# Altium PCB Fastino-DIOT.PCBDOC (part 12 of 22)
Units mm, origin at the board's own origin, x right, y up, seen from the top; angles counter-clockwise.
Board outline 222.63 x 100.1 mm, 8 copper layers (L1, L2, L3, P4, L5, L6, P7, L8), stack 1.563 mm thick; 1030 components, 787 nets, 3312 pads, 2498 vias.
Unrouted connection lines stored in the file: 424.
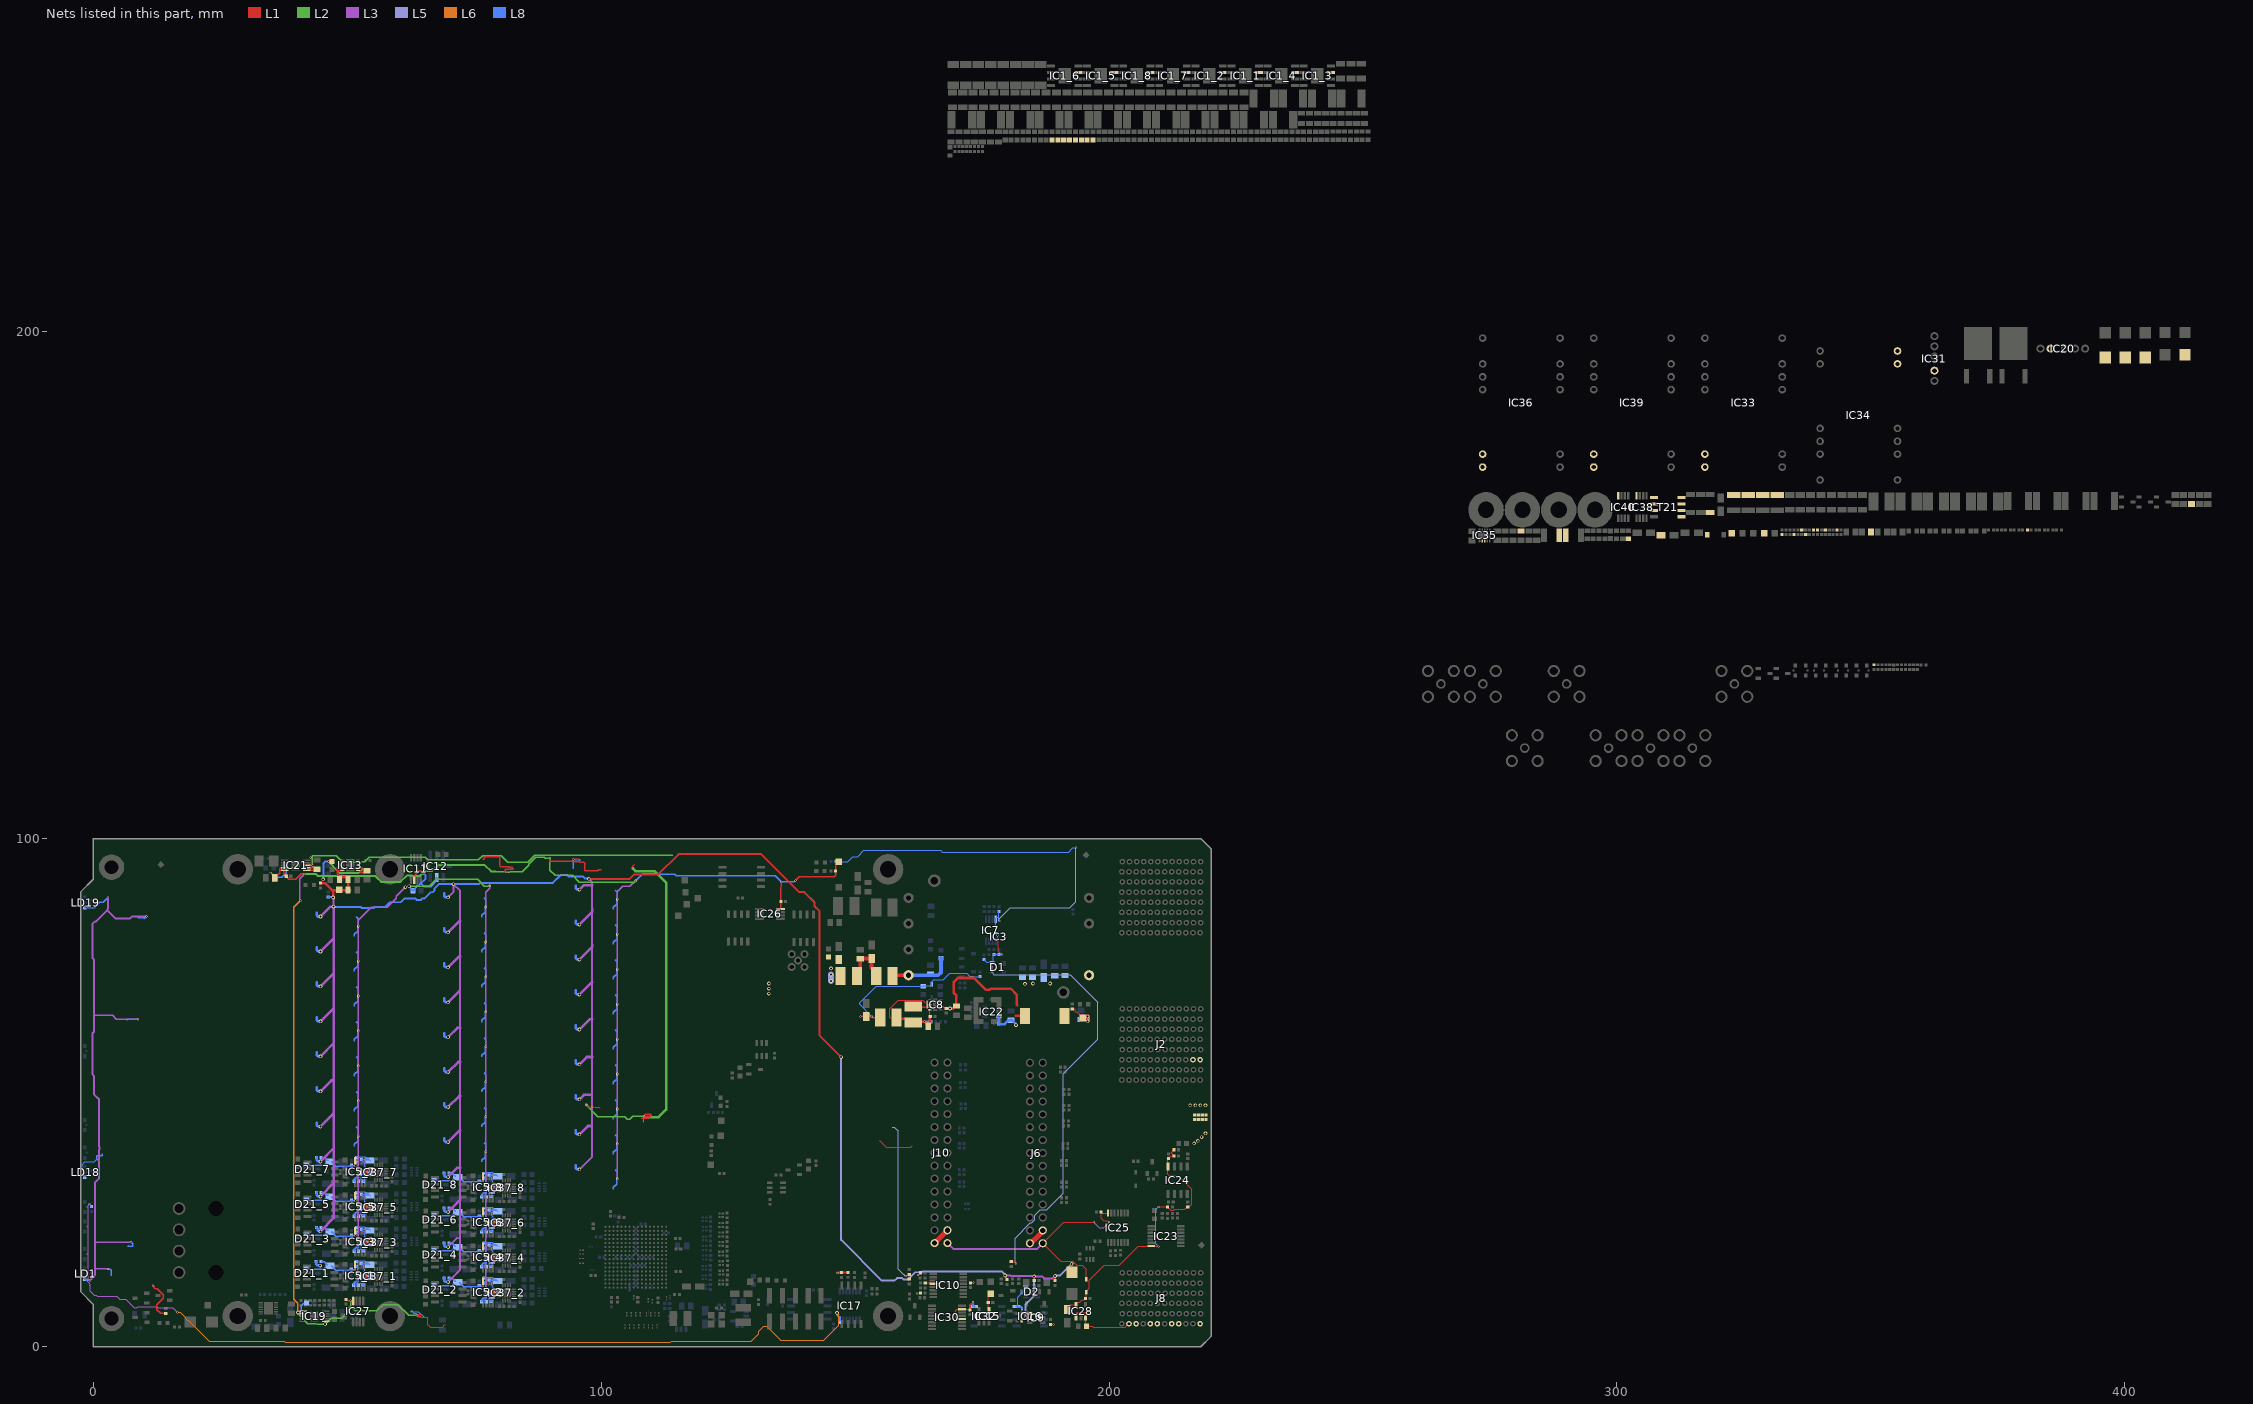
[diagram p18: the nets of this part, all layers, seen from the top]

## Via types
v1: diameter 0.4, hole 0.2, L1 to L8, tented both sides, 1919 vias
v2: diameter 0.5, hole 0.2, L1 to L8, tented both sides, 270 vias
v3: diameter 0.4, hole 0.2, L1 to L8, 170 vias
v4: diameter 0.7, hole 0.4, L1 to L8, tented both sides, 110 vias
v5: diameter 0.7, hole 0.4, L1 to L8, 29 vias

## Nets (pads, with @x,y where several pads share a name; then routed paths per layer and width w, separated by ;. In a path a pad name is that pad's centre, name@x,y a point inside that pad or via, vN(x,y) a via of type N, cw(c..) or ccw(c..) an arc to the next point about the centre after c; other vN are vias at no path point) (continued)
P3V3_MP: C20.2 C38.2 C47.2 C88.2 C105.2 C116.2 C159.2 C169.2 D1.4 D2.4 D7.1 D14.1 IC7.8 IC9.4 IC10.12 IC15.8 IC16.8 IC17.14 IC25.14 IC30.12 IC30.15 IC32.4 IC38.8 IC40.8 J6.30 J10.30 R13.2 R15.2 R31.1 R39.1 R43.1 R46.1 R47.1 R86.1 R87.2 R88.2 R93.2 R146.2 R147.2 R148.1 R160.1 R175.2 R177.2 R273.1 TP3.1 | length 550.6
  L1 w0.127: v2(97.029,47.603) 97.385,47.247 98.553,47.247 ; 98.553,47.273 98.697,47.129 99.571,47.129 99.732,46.968 ; 108.435,45.705 108.515,45.785 108.685,45.785 ; v1(159.944,13.859) 160.018,13.859 160.168,14.01 160.429,14.01 R39.1@160.655,14.237 R46.1@160.655,13.297 ; v1(162.179,10.483) 162.794,10.483 R15.2@162.852,10.541 ; v1(162.388,14.121) 162.44,14.173 162.516,14.173 162.852,14.509 R43.1@162.852,14.529 ; C88.2@163.797,12.548 164.257,12.548 164.265,12.54 165.227,12.54 IC10.12@165.389,12.379 165.51,12.5 v1(166.5,12.5) ; IC30.12@171.047,5.415 169.921,5.415 169.799,5.537 169.799,6.471 169.688,6.582 169.688,6.905 169.901,7.118 169.901,7.291 169.975,7.365 IC30.15@171.047,7.365 172.441,7.365 C116.2@172.593,7.214 ; R13.2@172.733,12.536 172.771,12.573 v1(173.355,12.573) ; v1(176.327,6.375) 176.327,7.244 IC32.4@176.335,7.252 176.213,7.374 C38.2@176.213,8.7 176.213,9.869 TP3.1@176.746,10.402 ; v1(178.052,81.001) 178.052,80.289 178.232,80.109 178.232,77.902 v1(178.918,77.216) ; R88.2@180.75,16.72 181.221,16.72 181.599,16.342 v1(181.673,16.342) ; v1(182.855,7.163) 182.855,6.528 C20.2@182.842,6.516 184.275,6.516 IC9.4@184.387,6.628 ; R87.2@188.481,4.368 v1(189.052,4.369) ; D7.1@195.5,13.3 195.5,15.25 194.75,16 193.679,16 192.849,16.829 190.469,16.829 J6.30@186.957,20.341 191.116,24.5 v1(197,24.5) ; IC25.14@199.638,26.5 199.8,26.338 IC25.14@199.8,26.3 198.65,26.3 C105.2@198.45,26.5 198.45,25.3 198.976,24.774 199.8,24.774 200,24.574 v1(200,24.5)
  L1 w0.203: v1(106.248,94.259) 106.248,94.656 106.5,94.908 106.374,95.033
  L1 w0.254: 107.935,45.035 107.935,44.983 107.951,44.967 ; 107.951,45.088 107.951,44.967 ; v1(108.383,45.393) 109.644,45.393 ; 108.685,45.785 108.694,45.776 109.778,45.776 ; 109.882,45.673 109.882,45.631 109.847,45.597 109.644,45.393 ; 107.951,44.967 107.956,44.961 109.133,44.961 109.432,45.261 109.511,45.261 109.644,45.393
  L1 w0.381: v1(146.5,14.5) 146.505,14.5 146.572,14.567 R47.1@147.295,14.567 148.59,14.567 R31.1@148.615,14.592 ; C116.2@172.593,7.214 172.593,8.093 v1(173.25,8.75)
  L3 w0.127: v1(-0.787,28.092) -0.787,28.034 -1.034,27.787 -1.034,13.411 -1.2,13.245 -1.2,13.14 -1.111,12.977 -1.111,12.807 -0.806,12.501 -0.78,12.191 -0.775,12.028 cw(c-1.8,12) -0.775,12.007 -0.768,11.04 0.203,10.068 0.594,10.068 0.79,9.871 4.566,9.871 5.166,9.271 6.37,9.271 8.021,7.62 8.522,7.62 8.709,7.807 12.508,7.807 12.667,7.648 15.583,7.648 16.475,6.756 v1(16.535,6.756) ; v1(197,24.5) 198.081,23.419 198.919,23.419 v1(200,24.5)
  L3 w0.381: J10.30@168.187,20.366 169.329,19.224 185.84,19.224 J6.30@186.957,20.341
  L2 w0.254: v2(97.029,47.603) 99.355,45.277 104.594,45.277 105.146,44.725 105.625,44.725 106.211,45.311 106.211,45.381 108.371,45.381 v1(108.383,45.393)
  L2 w0.508: v1@106.223,94.259 106.223,94.123 106.722,93.624 110.507,93.624 112.776,91.355 112.776,46.66 111.303,45.187 108.636,45.187 v1@108.458,45.364
  L6 w0.127: v1(16.535,6.756) 17.116,6.756 18.199,5.673 18.199,5.527 18.608,5.118 18.754,5.118 22.831,1.041 37.545,1.041 37.76,0.826 113.631,0.826 113.846,1.041 129.541,1.041 131,2.5 131,3 131.996,3.996 132.645,3.996 135.395,1.246 143.855,1.246 146.777,4.168 146.777,6.237 146.431,6.583 v4(146.431,6.655)
  L5 w0.127: 157.27,43.155 157.696,43.155 158.176,42.674 158.326,42.674 158.5,42.5 158.5,15.25 159.5,14.25 159.553,14.25 v1(159.944,13.859) ; v1(177,75) 177,73.609 177.34,73.27 191.715,73.27 191.731,73.254 192.355,73.254 197.754,67.855 197.754,60.657 197.75,60.653 197.75,60.508 190.992,53.75 190.992,30.242 187.721,26.971 186.471,26.971 185.408,25.908 185.408,25.011 184.743,24.347 184.482,24.347 181.5,21.365 v1(181.5,19.25) 181.5,16.589 181.673,16.415 v1(181.673,16.342) ; v1(178.41,83.82) 178.41,84.277 180.518,86.385 192.278,86.385 193.497,87.605 v1(193.497,98.298)
  L8 w0.127: v1(-0.787,28.092) -0.735,28.04 -0.735,27.906 -0.401,27.572 R93.2@-0.381,27.572 ; 108.323,44.316 108.383,44.376 v1(108.383,45.393) ; R160.1@146.22,95.5 148.5,95.5 149.5,96.5 150.5,96.5 151.699,97.699 166.844,97.699 167.183,97.36 192.051,97.36 192.888,98.196 193.37,98.196 193.472,98.298 v1(193.497,98.298) ; R86.1@175.361,76.188 175.381,76.188 175.906,75.663 D1.4@176.936,75.663 177,75.599 v1(177,75) ; D1.4@177.011,75.588 177.217,75.793 177.217,77.138 R177.2@177.335,77.256 R175.2@178.31,77.256 178.877,77.256 v1(178.918,77.216) ; v1(178.052,81.001) 177.71,81.342 177.71,84.373 177.872,84.535 178.31,84.535 ; C47.2@178.31,85.704 178.31,84.535 ; v1(178.41,83.82) 178.41,83.894 178.31,83.993 178.31,84.535 ; IC16.8@181.8,7.905 182,8.105 182,9.75 183.163,10.913 183.163,11.464 183.4,11.7 D2.4@183.6,11.7
  L8 w0.381: v4(146.431,6.655) 146.492,6.594 146.492,6.155 147.015,5.632 IC17.14@147.015,5.563 ; IC17.14@146.961,5.436 146.996,5.401 IC17.14@146.996,5.152 ; v1(173.25,8.75) 173.25,8.013 173.359,7.904 IC15.8@173.471,7.904 ; IC16.8@181.8,7.905 181.909,7.796 182.725,7.796 182.851,7.67 182.851,7.166 v1(182.855,7.163)
P3V3_MP_B: C15.2 C103.2 C109.1 D7.2 IC23.14 IC24.8 IC28.5 R221.2 R226.2 R227.2 R228.1 | length 55.5
  L1 w0.127: C109.1@191.75,7.3 191.75,7.575 192.425,8.25 IC28.5@193.5,8.25 193.5,8.5 193.736,8.737 194.237,8.737 194.753,9.253 195.104,9.253 C103.2@195.35,9.5 195.5,9.65 D7.2@195.5,10.7 195.5,10.9 196.118,11.518 196.118,13.031 199.087,16 202,16 205.8,19.8 IC23.14@208.35,19.8 208.4,19.75 v1(209.75,19.75) ; v1(209.75,27.5) R228.1@211.53,27.5 211.53,27.48 212.155,26.855 212.776,26.855 212.925,27.004 214.954,27.004 215.48,27.53 R221.2@215.5,27.53 215.72,27.75 216,27.75 216.25,28 216.25,31 213.75,33.5 213.25,33.5 213,33.75 211.75,33.75 211.595,33.905 IC24.8@211.595,35.45 211.595,36.895 C15.2@211.75,37.05 212.2,37.5 R227.2@212.78,37.5 212.78,37.52 212.374,37.926 212.349,37.926 212.251,38.024 212.251,38.201 212.78,38.73 R226.2@212.78,38.75
  L8 w0.127: v1(209.75,19.75) 209.245,20.255 209.245,26.995 v1(209.75,27.5)
P3V3A: LD1.2 LD18.2 LD19.2 R52.1 | length 137.4
  L1 w0.254: v1(11.75,12) 11.75,11.96 11.984,11.726 11.984,11.531 12.133,11.382 12.581,11.382 13.75,10.213 13.75,9.5 12.5,8.25 12.5,7.25 13.22,6.53 R52.1@14.25,6.53
  L3 w0.254: 0.068,65.25 3.75,65.25 4.535,64.465 v1(8.768,64.465) ; 0.356,15.291 v1(2.848,15.291) ; 0.483,20.396 0.33,20.549 v1(7.397,20.549)
  L3 w0.381: v1(-0.721,12.969) 0.305,14.16 0.305,15.291 0.305,20.396 0.305,20.549 0.305,32.332 1.114,33.141 v1(1.114,36.627) 1.114,38.737 1.229,38.851 1.229,39.28 1.114,39.394 1.114,48.659 0.068,49.706 0.068,53.306 -0.186,53.56 -0.186,61.733 0.068,61.987 0.068,65.25 0.068,76.254 -0.203,76.525 -0.203,83.236 0.254,83.693 0.403,83.693 2.678,85.968 ; v1(2.896,88.443) 2.896,86.186 2.678,85.968 ; v1(10.414,84.734) 7.617,84.734 7.16,84.277 4.369,84.277 2.678,85.968
  L8 w0.127: LD18.2@-1.676,33.362 -1.676,34.042 -2.217,34.583 -2.217,35.841 -1.696,36.362 0.165,36.362 0.686,36.883
  L8 w0.254: v1(1.114,36.627) 1.086,36.655 0.914,36.655 0.686,36.883 0.686,37.574 1.651,37.574 1.749,37.672 1.749,37.944 ; v1(2.848,15.291) 2.876,15.263 3.294,15.263 3.482,15.075 3.482,13.965 3.484,13.963 ; 6.703,64.299 6.703,64.367 6.801,64.465 7.696,64.465 7.718,64.487 8.747,64.487 v1(8.768,64.465) ; 6.734,19.863 6.734,19.845 6.832,19.747 7.722,19.747 7.722,20.224 v1(7.397,20.549) ; 8.754,84.416 9.931,84.416 10.074,84.274 10.074,84.412 10.396,84.734 v1(10.414,84.734)
  L8 w0.381: LD1.2@-1.676,13.33 -1.676,13.28 -1.517,13.121 -0.924,13.121 -0.775,12.972 -0.724,12.972 v1(-0.721,12.969) ; LD19.2@-1.676,86.439 -0.958,86.439 -0.942,86.423 0.173,86.423 1.25,87.5 1.953,87.5 v1(2.896,88.443) v1@2.89,88.443
  other v5: 133,69.5 133,70.5 133,71.5
P5V4_DAC_VDD_1: C12_1.1 C142_1.2 IC37_1.15 L16_1.2 | length 8.7
  L1 w0.203: IC37_1.15@54.326,13.564 IC37_1.15@54.508,13.564
  L1 w0.254: v1(52.984,13.945) 53,13.929 53.565,13.929 53.906,13.589 IC37_1.15@54.432,13.589
  L8 w0.127: L16_1.2@52.07,12.065 51.968,12.167 51.968,12.58 52.282,12.893 52.282,13.635 52.547,13.9 52.547,14.072 52.812,14.337 53.404,14.337 C12_1.1@53.442,14.3
  L8 w0.254: v1(52.984,13.945) 52.956,13.917 52.956,13.459 52.73,13.233 52.73,12.471 C142_1.2@53.086,12.116 53.269,12.299 53.269,12.807 53.428,12.965 53.428,13.346 C12_1.1@53.569,13.487
P5V4_DAC_VDD_2: C12_2.1 C142_2.2 IC37_2.15 L16_2.2 | length 8.7
  L1 w0.203: IC37_2.15@79.531,10.323 IC37_2.15@79.714,10.323
  L1 w0.254: v1(78.19,10.704) 78.205,10.689 78.771,10.689 79.111,10.348 IC37_2.15@79.638,10.348
  L8 w0.127: L16_2.2@77.276,8.824 77.174,8.926 77.174,9.339 77.488,9.652 77.488,10.394 77.752,10.659 77.752,10.832 78.017,11.097 78.61,11.097 C12_2.1@78.647,11.059
  L8 w0.254: v1(78.19,10.704) 78.162,10.676 78.162,10.219 77.936,9.993 77.936,9.231 C142_2.2@78.292,8.875 78.475,9.058 78.475,9.566 78.633,9.725 78.633,10.106 C12_2.1@78.774,10.247
P5V4_DAC_VDD_3: C12_3.1 C142_3.2 IC37_3.15 L16_3.2 | length 8.7
  L1 w0.203: IC37_3.15@54.38,20.282 IC37_3.15@54.563,20.282
  L1 w0.254: v1(53.039,20.663) 53.054,20.648 53.62,20.648 53.96,20.308 IC37_3.15@54.487,20.308
  L8 w0.127: L16_3.2@52.125,18.784 52.023,18.885 52.023,19.298 52.336,19.612 52.336,20.354 52.601,20.619 52.601,20.791 52.866,21.056 53.459,21.056 C12_3.1@53.496,21.019
  L8 w0.254: v1(53.039,20.663) 53.011,20.635 53.011,20.178 52.785,19.952 52.785,19.19 C142_3.2@53.141,18.834 53.324,19.017 53.324,19.525 53.482,19.684 53.482,20.065 C12_3.1@53.623,20.206
P5V4_DAC_VDD_4: C12_4.1 C142_4.2 IC37_4.15 L16_4.2 | length 8.7
  L1 w0.203: IC37_4.15@79.531,17.209 IC37_4.15@79.714,17.209
  L1 w0.254: v1(78.19,17.59) 78.205,17.575 78.771,17.575 79.111,17.235 IC37_4.15@79.638,17.235
  L8 w0.127: L16_4.2@77.276,15.711 77.174,15.812 77.174,16.226 77.488,16.539 77.488,17.281 77.752,17.546 77.752,17.718 78.017,17.983 78.61,17.983 C12_4.1@78.647,17.946
  L8 w0.254: v1(78.19,17.59) 78.162,17.563 78.162,17.105 77.936,16.879 77.936,16.117 C142_4.2@78.292,15.762 78.475,15.945 78.475,16.453 78.633,16.611 78.633,16.992 C12_4.1@78.774,17.133
P5V4_DAC_VDD_5: C12_5.1 C142_5.2 IC37_5.15 L16_5.2 | length 8.7
  L1 w0.203: IC37_5.15@54.38,27.169 IC37_5.15@54.563,27.169
  L1 w0.254: v1(53.039,27.55) 53.054,27.535 53.62,27.535 53.96,27.194 IC37_5.15@54.487,27.194
  L8 w0.127: L16_5.2@52.125,25.67 52.023,25.772 52.023,26.185 52.336,26.498 52.336,27.24 52.601,27.505 52.601,27.678 52.866,27.943 53.459,27.943 C12_5.1@53.496,27.905
  L8 w0.254: v1(53.039,27.55) 53.011,27.522 53.011,27.065 52.785,26.839 52.785,26.077 C142_5.2@53.141,25.721 53.324,25.904 53.324,26.412 53.482,26.571 53.482,26.952 C12_5.1@53.623,27.093
P5V4_DAC_VDD_6: C12_6.1 C142_6.2 IC37_6.15 L16_6.2 | length 8.7
  L1 w0.203: IC37_6.15@79.531,24.096 IC37_6.15@79.714,24.096
  L1 w0.254: v1(78.19,24.477) 78.205,24.462 78.771,24.462 79.111,24.121 IC37_6.15@79.638,24.121
  L8 w0.127: L16_6.2@77.276,22.597 77.174,22.699 77.174,23.112 77.488,23.426 77.488,24.168 77.752,24.433 77.752,24.605 78.017,24.87 78.61,24.87 C12_6.1@78.647,24.833
  L8 w0.254: v1(78.19,24.477) 78.162,24.449 78.162,23.992 77.936,23.766 77.936,23.004 C142_6.2@78.292,22.648 78.475,22.831 78.475,23.339 78.633,23.498 78.633,23.879 C12_6.1@78.774,24.02
P5V4_DAC_VDD_7: C12_7.1 C142_7.2 IC37_7.15 L16_7.2 | length 8.7
  L1 w0.203: IC37_7.15@54.38,34.055 IC37_7.15@54.563,34.055
  L1 w0.254: v1(53.039,34.436) 53.054,34.421 53.62,34.421 53.96,34.081 IC37_7.15@54.487,34.081
  L8 w0.127: L16_7.2@52.125,32.557 52.023,32.658 52.023,33.071 52.336,33.385 52.336,34.127 52.601,34.392 52.601,34.564 52.866,34.829 53.459,34.829 C12_7.1@53.496,34.792
  L8 w0.254: C142_7.2@52.959,32.664 52.785,32.838 52.785,33.725 53.011,33.951 53.011,34.408 v1(53.039,34.436) ; C142_7.2@53.137,32.479 53.308,32.651 53.308,33.611 53.623,33.925 C12_7.1@53.623,33.979
P5V4_DAC_VDD_8: C12_8.1 C142_8.2 IC37_8.15 L16_8.2 | length 8.7
  L1 w0.203: IC37_8.15@79.531,30.983 IC37_8.15@79.714,30.983
  L1 w0.254: v1(78.19,31.364) 78.205,31.349 78.771,31.349 79.111,31.008 IC37_8.15@79.638,31.008
  L8 w0.127: L16_8.2@77.276,29.484 77.174,29.586 77.174,29.999 77.488,30.312 77.488,31.054 77.752,31.319 77.752,31.491 78.017,31.756 78.61,31.756 C12_8.1@78.647,31.719
  L8 w0.254: v1(78.19,31.364) 78.162,31.336 78.162,30.879 77.936,30.652 77.936,29.89 C142_8.2@78.292,29.535 78.475,29.718 78.475,30.226 78.633,30.384 78.633,30.765 C12_8.1@78.774,30.906
P5V4_DAC_VLOGIC_1: C99_1.1 C143_1.2 IC37_1.14 R164_1.2 | length 8.1
  L1 w0.127: IC37_1.14@54.349,14.072 IC37_1.14@54.508,14.072 ; IC37_1.14@54.508,14.097 IC37_1.14@54.585,14.097
  L1 w0.254: v1(53.416,14.757) 54.099,14.075 54.607,14.075 IC37_1.14@54.61,14.072
  L8 w0.127: R164_1.2@51.689,16.828 51.778,16.916 53.367,16.916 53.766,16.518 54.041,16.518 54.215,16.343 C99_1.1@54.414,16.144 ; C143_1.2@52.73,16.343 53.264,15.81 53.264,15.291 53.407,15.148 53.407,14.792 v1@53.436,14.763 ; v1@53.416,14.75 53.423,14.75 v1@53.436,14.763 ; v1@53.442,14.757 v1@53.436,14.763
  L8 w0.254: C143_1.2@52.908,16.434 52.908,16.348 52.913,16.343 C99_1.1@54.215,16.343
P5V4_DAC_VLOGIC_2: C99_2.1 C143_2.2 IC37_2.14 R164_2.2 | length 8.1
  L1 w0.127: IC37_2.14@79.555,10.831 IC37_2.14@79.714,10.831 ; IC37_2.14@79.714,10.856 IC37_2.14@79.79,10.856
  L1 w0.254: v1(78.622,11.517) 79.304,10.834 79.812,10.834 IC37_2.14@79.816,10.831
  L8 w0.127: R164_2.2@76.895,13.587 76.983,13.676 78.572,13.676 78.971,13.277 79.246,13.277 79.421,13.102 C99_2.1@79.62,12.903 ; C143_2.2@77.936,13.102 78.469,12.569 78.469,12.05 78.612,11.907 78.612,11.552 v1@78.642,11.522 ; v1@78.622,11.509 78.629,11.509 v1@78.642,11.522 ; v1@78.647,11.517 v1@78.642,11.522
  L8 w0.254: C143_2.2@78.114,13.193 78.114,13.108 78.119,13.102 C99_2.1@79.421,13.102
P5V4_DAC_VLOGIC_3: C99_3.1 C143_3.2 IC37_3.14 R164_3.2 | length 8.1
  L1 w0.127: IC37_3.14@54.404,20.79 IC37_3.14@54.563,20.79 ; IC37_3.14@54.563,20.816 IC37_3.14@54.639,20.816
  L1 w0.254: v1(53.471,21.476) 54.153,20.794 54.661,20.794 IC37_3.14@54.665,20.79
  L8 w0.127: R164_3.2@51.744,23.546 51.832,23.635 53.421,23.635 53.82,23.236 54.095,23.236 54.269,23.062 C99_3.1@54.469,22.863 ; C143_3.2@52.785,23.062 53.318,22.528 53.318,22.009 53.461,21.866 53.461,21.511 v1@53.491,21.481 ; v1@53.471,21.469 53.478,21.469 v1@53.491,21.481 ; v1@53.496,21.476 v1@53.491,21.481
  L8 w0.254: C143_3.2@52.963,23.152 52.963,23.067 52.968,23.062 C99_3.1@54.269,23.062
P5V4_DAC_VLOGIC_4: C99_4.1 C143_4.2 IC37_4.14 R164_4.2 | length 8.1
  L1 w0.127: IC37_4.14@79.555,17.717 IC37_4.14@79.714,17.717 ; IC37_4.14@79.714,17.743 IC37_4.14@79.79,17.743
  L1 w0.254: v1(78.622,18.403) 79.304,17.721 79.812,17.721 IC37_4.14@79.816,17.717
  L8 w0.127: R164_4.2@76.895,20.473 76.983,20.562 78.572,20.562 78.971,20.163 79.246,20.163 79.421,19.989 C99_4.1@79.62,19.79 ; C143_4.2@77.936,19.989 78.469,19.456 78.469,18.937 78.612,18.794 78.612,18.438 v1@78.642,18.409 ; v1@78.622,18.396 78.629,18.396 v1@78.642,18.409 ; v1@78.647,18.403 v1@78.642,18.409
  L8 w0.254: C143_4.2@78.114,20.08 78.114,19.994 78.119,19.989 C99_4.1@79.421,19.989
P5V4_DAC_VLOGIC_5: C99_5.1 C143_5.2 IC37_5.14 R164_5.2 | length 8.1
  L1 w0.127: IC37_5.14@54.404,27.677 IC37_5.14@54.563,27.677 ; IC37_5.14@54.563,27.702 IC37_5.14@54.639,27.702
  L1 w0.254: v1(53.471,28.363) 54.153,27.68 54.661,27.68 IC37_5.14@54.665,27.677
  L8 w0.127: R164_5.2@51.744,30.433 51.832,30.522 53.421,30.522 53.82,30.123 54.095,30.123 54.269,29.948 C99_5.1@54.469,29.749 ; C143_5.2@52.785,29.948 53.318,29.415 53.318,28.896 53.461,28.753 53.461,28.397 v1@53.491,28.368 ; v1@53.471,28.355 53.478,28.355 v1@53.491,28.368 ; v1@53.496,28.363 v1@53.491,28.368
  L8 w0.254: C143_5.2@52.963,30.039 52.963,29.954 52.968,29.948 C99_5.1@54.269,29.948
P5V4_DAC_VLOGIC_6: C99_6.1 C143_6.2 IC37_6.14 R164_6.2 | length 8.1
  L1 w0.127: IC37_6.14@79.555,24.604 IC37_6.14@79.714,24.604 ; IC37_6.14@79.714,24.629 IC37_6.14@79.79,24.629
  L1 w0.254: v1(78.622,25.29) 79.304,24.607 79.812,24.607 IC37_6.14@79.816,24.604
  L8 w0.127: R164_6.2@76.895,27.36 76.983,27.449 78.572,27.449 78.971,27.05 79.246,27.05 79.421,26.876 C99_6.1@79.62,26.676 ; C143_6.2@77.936,26.876 78.469,26.342 78.469,25.823 78.612,25.68 78.612,25.325 v1@78.642,25.295 ; v1@78.622,25.283 78.629,25.283 v1@78.642,25.295 ; v1@78.647,25.29 v1@78.642,25.295
  L8 w0.254: C143_6.2@78.114,26.966 78.114,26.881 78.119,26.876 C99_6.1@79.421,26.876
P5V4_DAC_VLOGIC_7: C99_7.1 C143_7.2 IC37_7.14 R164_7.2 | length 8.1
  L1 w0.127: IC37_7.14@54.404,34.563 IC37_7.14@54.563,34.563 ; IC37_7.14@54.563,34.589 IC37_7.14@54.639,34.589
  L1 w0.254: v1(53.471,35.249) 54.153,34.567 54.661,34.567 IC37_7.14@54.665,34.563
  L8 w0.127: R164_7.2@51.744,37.319 51.832,37.408 53.421,37.408 53.82,37.009 54.095,37.009 54.269,36.835 C99_7.1@54.469,36.636 ; C143_7.2@52.785,36.835 53.318,36.302 53.318,35.783 53.461,35.64 53.461,35.284 v1@53.491,35.255 ; v1@53.471,35.242 53.478,35.242 v1@53.491,35.255 ; v1@53.496,35.249 v1@53.491,35.255
  L8 w0.254: C143_7.2@52.963,36.926 52.963,36.84 52.968,36.835 C99_7.1@54.269,36.835
P5V4_DAC_VLOGIC_8: C99_8.1 C143_8.2 IC37_8.14 R164_8.2 | length 8.1
  L1 w0.127: IC37_8.14@79.555,31.491 IC37_8.14@79.714,31.491 ; IC37_8.14@79.714,31.516 IC37_8.14@79.79,31.516
  L1 w0.254: v1(78.622,32.176) 79.304,31.494 79.812,31.494 IC37_8.14@79.816,31.491
  L8 w0.127: R164_8.2@76.895,34.247 76.983,34.335 78.572,34.335 78.971,33.937 79.246,33.937 79.421,33.762 C99_8.1@79.62,33.563 ; C143_8.2@77.936,33.762 78.469,33.229 78.469,32.71 78.612,32.567 78.612,32.211 v1@78.642,32.182 ; v1@78.622,32.169 78.629,32.169 v1@78.642,32.182 ; v1@78.647,32.176 v1@78.642,32.182
  L8 w0.254: C143_8.2@78.114,33.853 78.114,33.767 78.119,33.762 C99_8.1@79.421,33.762
P5V4A: C83.2 C90.2 C96.2 C107.2 C122.2 C139.1 C149.2 C152.2 IC11.2 IC12.2 IC19.1 IC19.2 IC19.6 IC21.9 IC21.10 IC26.8 IC27.8 L16_1.1 L16_2.1 L16_3.1 L16_4.1 L16_5.1 L16_6.1 L16_7.1 L16_8.1 R29.1 R135.1 R164_1.1 R164_2.1 R164_3.1 R164_4.1 R164_5.1 R164_6.1 R164_7.1 R164_8.1 TP14.1 | length 681.4
  L1 w0.127: 64.499,5.809 64.881,5.809 65.839,5.809 65.839,4.333 66.323,3.848 68.821,3.848 69.015,4.042 69.015,4.222 69.102,4.309 69.281,4.309
  L1 w0.254: v1@34.923,93.273 C83.2@35.7,92.496 ; C83.2@35.7,92.321 C83.2@35.7,92.496 ; IC21.10@37.64,93.785 IC21.10@37.526,93.785 ; IC21.9@37.64,94.285 36.789,94.285 36.64,94.136 36.64,93.699 ; v4@40.548,6.639 40.762,6.426 IC19.2@40.818,6.426 ; v4@40.563,6.772 40.725,6.934 IC19.1@40.869,6.934 ; IC19.1@40.739,6.948 IC19.1@41.069,6.948 ; IC19.2@41.291,6.425 IC19.2@41.314,6.448 ; v1(41.575,93.1) 40.885,93.1 39.843,92.057 38.448,92.057 38.299,92.206 38.299,92.285 C90.2@37.963,92.621 37.503,93.081 37.503,93.762 IC21.10@37.526,93.785 ; v4(45.644,4.394) 45.644,4.925 45.667,4.948 IC19.6@45.714,4.948 ; C152.2@49.759,9.264 49.942,9.081 50.052,9.081 50.09,9.042 v1(50.623,9.042) IC27.8@51.156,9.042 ; 64.313,6.325 64.313,6.315 64.283,6.286 63.958,6.286 63.794,6.121 64.083,5.832 64.476,5.832 64.499,5.809 ; 76.693,96.003 76.906,96.003 76.929,96.026 76.929,96.291 77.14,96.503 79.844,96.503 79.993,96.354 79.993,94.681 80.142,94.532 80.369,94.532 80.375,94.526 81.07,94.526 81.093,94.503 81.116,94.48 81.799,94.48 81.84,94.439 82.499,94.439 82.514,94.424 82.514,94.163 82.674,94.003 ; v1(81.847,93.506) 81.242,93.506 81.093,93.655 81.093,94.003 82.674,94.003 ; 82.697,93.98 82.674,94.003 ; v1(89.891,96.19) 89.891,95.735 89.908,95.717 90.006,95.619 91.739,95.619 91.812,95.546 94.381,95.546 94.488,95.653 v1(94.488,95.907) ; v1@94.534,95.758 94.534,95.639 94.731,95.443 95.626,95.443 95.631,95.437 95.654,95.414 96.349,95.414 96.374,95.39 96.588,95.39 96.737,95.241 96.737,93.842 96.886,93.693 99.284,93.693 99.433,93.842 99.433,93.914 99.456,93.937 100.031,93.937 ; v1@94.558,95.937 95.631,95.937 ; IC26.8@135.298,86.192 135.382,86.276 C107.2@135.382,87.681 135.382,90.5 135.5,90.618 v1(135.5,91.5) ; v1(138.25,91.75) 139,92.5 145.851,92.5 146.151,92.799 R29.1@146.151,93.654 146.151,94.861 TP14.1@146.747,95.457 ; C83.2@35.7,92.496 36.098,92.894 36.273,92.894 36.64,93.262 36.64,93.699 ; 36.64,93.699 36.726,93.785 IC21.10@37.526,93.785